# Altium PCB base-32-bit.PcbDoc (part 2 of 2)
Units mil, origin at the board's own origin, x right, y up, seen from the top; angles counter-clockwise.
Board outline 1400 x 1750 mil, 4 copper layers (Top Layer, GND, PWR, Bottom Layer), stack 23.756 mil thick; 70 components, 133 nets, 525 pads, 249 vias.
Unrouted connection lines stored in the file: 25.
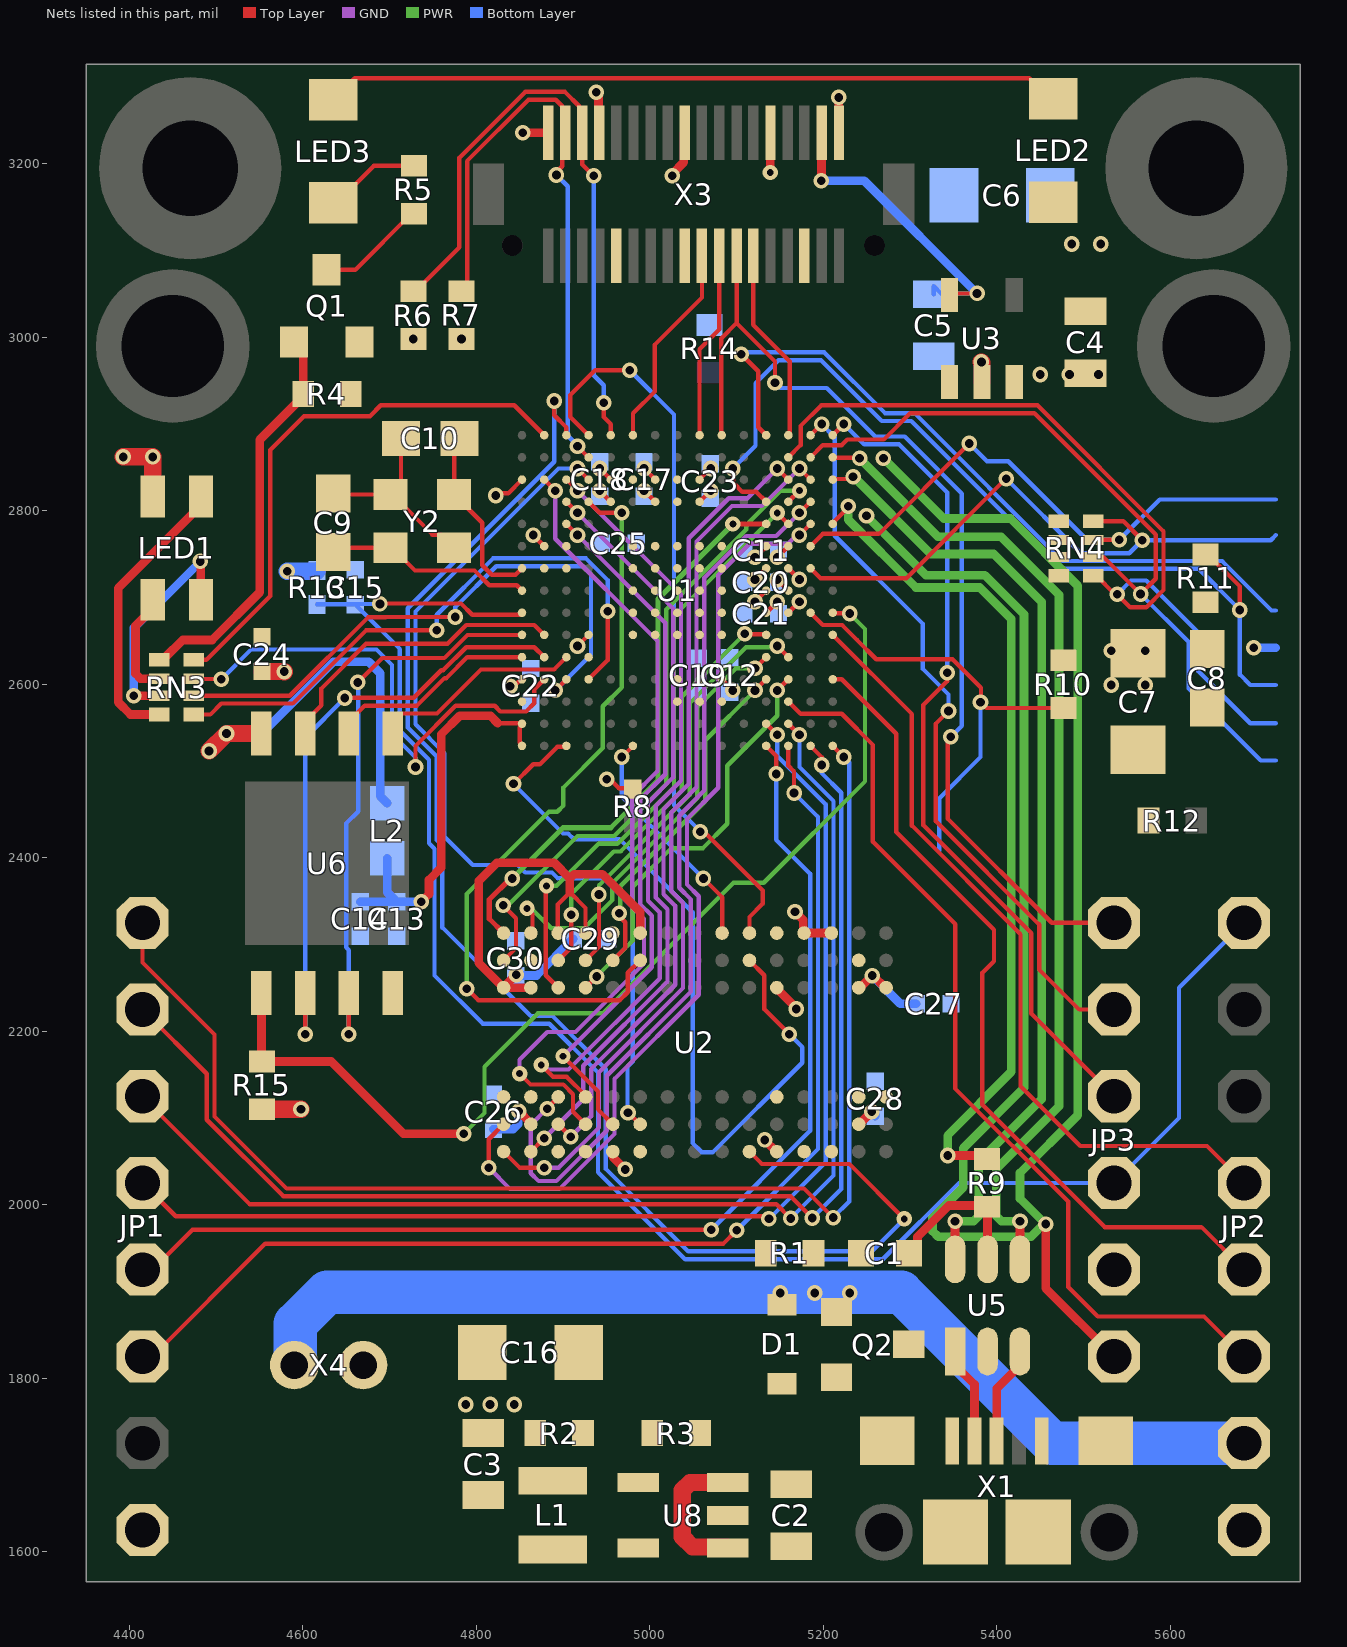
[diagram p4: the nets of this part, all layers, seen from the top]

## Via types
v1: diameter 18, hole 10, Top Layer to Bottom Layer, tented both sides, 235 vias
v2: diameter 17.72, hole 8, Top Layer to Bottom Layer, tented both sides, 14 vias

## Nets (pads, with @x,y where several pads share a name; then routed paths per layer and width w, separated by ;. In a path a pad name is that pad's centre, name@x,y a point inside that pad or via, vN(x,y) a via of type N, cw(c..) or ccw(c..) an arc to the next point about the centre after c; other vN are vias at no path point) (continued)
DRAM_D16: U1.M12 U2.E8 | length 403
  Top Layer w5: U2.E8@4957.28,2281.69 4971.65,2296.07 4971.65,2325.69 4964.73,2332.62 v1(4964.73,2336.14) ; v1(5121.23,2592.91) U1.M12@5134.02,2605.7
  PWR w5: v1(4964.73,2336.14) 4965.73,2337.14 4965.73,2367.18 5063.78,2465.23 5063.78,2535.46 v1(5121.23,2592.91)
DRAM_D17: U1.M13 U2.D7 | length 473.7
  Top Layer w5: U2.D7@4925.79,2250.2 v1(4938.58,2263) ; v1(5146.82,2592.91) U1.M13@5159.61,2605.7
  PWR w5: v1(4938.58,2263) 4980.23,2304.64 4980.23,2366.59 5024.77,2411.14 5061.15,2411.14 5089.23,2439.22 5089.23,2506.06 5146.82,2563.65 v1(5146.82,2592.91)
DRAM_D18: U1.L13 U2.D8 | length 492.4
  Top Layer w5: U2.D8@4925.79,2281.69 4941.23,2297.13 v1(4941.23,2357.64) ; v1(5146.73,2644.14) U1.L13@5159.61,2631.29
  PWR w5: v1(4941.23,2357.64) 4941.23,2368.14 5045.78,2472.69 5045.78,2577.7 5110.72,2642.64 5145.23,2642.64 v1(5146.73,2644.14)
DRAM_D19: U1.L12 U2.B9 | length 519.8
  Top Layer w5: v2(4858.23,2341.64) 4864.71,2335.15 4864.71,2315.1 U2.B9@4862.8,2313.19 ; v1(5121.23,2618.5) U1.L12@5134.02,2631.29
  PWR w5: v2(4858.23,2341.64) 4863.3,2341.64 4886.3,2318.64 4924.15,2318.64 4956.73,2351.22 4956.73,2370.91 5054.78,2468.96 5054.78,2573.97 5099.3,2618.5 v1(5121.23,2618.5)
DRAM_D20: U1.K12 U2.C8 | length 495.4
  Top Layer w5: U2.C8@4894.29,2281.69 4909.23,2296.63 v1(4909.23,2334.14) ; v1(5109.23,2658.14) 5109.86,2657.51 5133.4,2657.51 U1.K12@5134.02,2656.88
  PWR w5: v1(4909.23,2334.14) 4909.23,2358.06 4958.31,2407.14 4966.25,2407.14 5036.78,2477.67 5036.78,2585.69 v1(5109.23,2658.14)
DRAM_D21: U1.E12 U2.A9 | length 666.8
  Top Layer w6: U2.A9@4831.3,2313.19 4814.73,2329.76 4814.73,2351.77 4839.1,2376.14 v1(4841.23,2376.14) ; v2(5095.63,2784.84) U1.E12@5134.02,2784.84
  PWR w6: v1(4841.23,2376.14) 4899.73,2434.64 4954.86,2434.64 5009.28,2489.06 5009.28,2698.48 v2(5095.63,2784.84)
DRAM_D22: U1.E13 U2.C7 | length 701.5
  Top Layer w5: v2(4880.73,2367.64) 4879.91,2366.82 4879.91,2264.57 U2.C7@4894.29,2250.2 ; v2(5146.81,2797.63) U1.E13@5159.61,2784.84
  PWR w5: v2(4880.73,2367.64) 4892.23,2367.64 4940.73,2416.14 4962.52,2416.14 5027.78,2481.4 5027.78,2678.6 v2(5146.81,2797.63)
DRAM_D23: U1.D13 U2.A8 | length 754.2
  Top Layer w5: v1(4830.73,2345.14) 4845.68,2330.19 4845.68,2296.07 U2.A8@4831.3,2281.69 ; U1.D13@5159.61,2810.43 v2(5172.4,2823.22)
  PWR w5: v1(4830.73,2345.14) 4836.51,2345.14 4916.51,2425.14 4958.79,2425.14 5018.78,2485.13 5018.78,2686.26 5110.99,2778.48 5110.99,2783.53 5150.69,2823.22 v2(5172.4,2823.22)
DRAM_D24: U1.E14 U2.A2 | length 1074.5
  Top Layer w5: v1(4814.14,2042.71) 4814.14,2075.56 U2.A2@4831.3,2092.72 ; v1(5172.4,2772.04) U1.E14@5185.2,2784.84
  GND w5: v1(4814.14,2042.71) 4838.64,2018.21 4895.91,2018.21 4959.23,2081.53 4959.23,2145.04 5056.23,2242.04 5056.23,2355.65 5042.73,2369.15 5042.73,2444.77 5078.77,2480.81 5078.77,2725.91 5114.8,2761.95 5159.16,2761.95 5169.25,2772.04 v1(5172.4,2772.04)
DRAM_D25: U1.D14 U2.C3 | length 1070.4
  Top Layer w5: v1(4881.5,2110.74) 4881.5,2111.08 4894.29,2123.87 U2.C3@4894.29,2124.21 ; v1(5172.4,2797.63) U1.D14@5185.2,2810.43
  GND w5: v1(4881.5,2110.74) 4862.61,2091.86 4862.61,2036.29 4871.69,2027.21 4892.18,2027.21 4950.23,2085.26 4950.23,2148.77 5047.23,2245.77 5047.23,2351.93 5033.73,2365.43 5033.73,2448.5 5062.78,2477.55 5062.78,2722.65 5111.08,2770.95 5145.72,2770.95 v1(5172.4,2797.63)
DRAM_D26: U1.C14 U2.A1 | length 1041.8
  Top Layer w5: U2.A1@4831.3,2061.22 4849.81,2042.71 v1(4878.11,2042.71) ; v1(5172.42,2848.82) U1.C14@5185.2,2836.02
  GND w5: v1(4878.11,2042.71) 4894.95,2042.71 4941.23,2088.99 4941.23,2152.73 5038.23,2249.73 5038.23,2348.2 5024.73,2361.7 5024.73,2452.23 5053.78,2481.28 5053.78,2764.7 5094.59,2805.52 5129.12,2805.52 v1(5172.42,2848.82)
DRAM_D27: U1.C13 U2.C2 | length 931.4
  Top Layer w5: U2.C2@4894.29,2092.72 v1(4908.66,2078.34) ; v1(5146.83,2848.82) U1.C13@5159.61,2836.02
  GND w5: v1(4908.66,2078.34) 4932.23,2101.91 4932.23,2156.46 5029.23,2253.46 5029.23,2344.47 5015.73,2357.97 5015.73,2455.95 5044.78,2485 5044.78,2768.43 5090.86,2814.52 5112.53,2814.52 v1(5146.83,2848.82)
DRAM_D28: U1.C3 U2.B1 | length 912.3
  Top Layer w5: U2.B1@4862.8,2061.22 v1(4878.11,2076.53) ; U1.C3@4903.7,2836.02 v1(4916.5,2823.23)
  GND w5: v1(4878.11,2076.53) 4923.23,2121.65 4923.23,2160.19 5020.23,2257.19 5020.23,2340.74 5006.73,2354.24 5006.73,2459.68 5035.78,2488.73 5035.78,2703.95 v1(4916.5,2823.23)
DRAM_D29: U1.C2 U2.D2 | length 947.3
  Top Layer w5: v2(4849.73,2151.14) 4862.28,2138.59 4900.24,2138.59 4911.41,2127.41 4911.41,2107.09 U2.D2@4925.79,2092.72 ; U1.C2@4878.11,2836.02 v1(4890.91,2823.23)
  GND w5: v2(4849.73,2151.14) 4849.73,2167.14 4881.73,2199.14 4914.23,2199.14 4993.23,2278.14 4993.23,2329.56 4979.73,2343.06 4979.73,2470.87 5008.78,2499.92 5008.78,2650.01 4890.91,2767.88 v1(4890.91,2823.23)
DRAM_D30: U1.D3 U2.D3 | length 867.7
  Top Layer w5: v2(4874.73,2161.14) 4888.28,2147.59 4903.97,2147.59 4925.79,2125.77 U2.D3@4925.79,2124.21 ; U1.D3@4903.7,2810.43 v1(4916.5,2797.64)
  GND w5: v2(4874.73,2161.14) 4880.09,2155.78 4906.09,2155.78 5011.23,2260.92 5011.23,2337.01 4997.73,2350.51 4997.73,2463.41 5026.78,2492.46 5026.78,2687.36 v1(4916.5,2797.64)
DRAM_D31: U1.E3 U2.E2 | length 823.3
  Top Layer w5: v2(4899.73,2171.14) 4940.16,2130.7 4940.16,2109.84 U2.E2@4957.28,2092.72 ; U1.E3@4903.7,2784.84 v1(4916.5,2772.04)
  GND w5: v2(4899.73,2171.14) 5002.23,2273.64 5002.23,2333.29 4988.73,2346.79 4988.73,2467.14 5017.78,2496.19 5017.78,2670.76 v1(4916.5,2772.04)
DRAM_DQM0: U1.A4 U2.K9 | length 856.7
  Top Layer w5: U1.A4@4929.29,2887.2 4908.23,2908.27 4908.23,2933.56 4936.81,2962.14 v1(4976.73,2962.14) ; v1(5058.23,2430.14) 5060.72,2427.65 5064.78,2427.65 5130.23,2362.21 5130.23,2347.11 5114.76,2331.64 U2.K9@5114.76,2313.19
  Bottom Layer w5: v1(4976.73,2962.14) 5027.73,2911.14 5027.73,2460.64 v1(5058.23,2430.14)
DRAM_DQM1: U1.A3 U2.K1 | length 1719.5
  Top Layer w5: v1(4889.73,2926.64) 4889.73,2910.14 4903.7,2896.16 U1.A3@4903.7,2887.2 ; U2.K1@5114.76,2061.22 5129.14,2046.85 5230.02,2046.85 v2(5293.23,1983.64)
  Bottom Layer w5: v1(4889.73,2926.64) 4889.73,2856.69 4720.73,2687.69 4720.73,2550.09 4754.23,2516.59 4754.23,2420.49 4760.73,2413.99 4760.73,2319.45 4862.66,2217.52 4887.8,2217.52 4949.23,2156.09 4949.23,2041.22 5044.31,1946.14 5255.73,1946.14 v2(5293.23,1983.64)
DRAM_DQM2: U1.D4 U2.F8 | length 909.7
  Top Layer w5: v1(4788.73,2249.14) 4802.04,2235.82 4965.41,2235.82 4974.4,2244.82 4974.4,2267.32 U2.F8@4988.78,2281.69 ; U1.D4@4929.29,2810.43 4942.09,2797.63 v1(4967.68,2797.63)
  PWR w5: v1(4788.73,2249.14) 4788.73,2358.29 4883.58,2453.14 4893.23,2453.14 4900.23,2460.14 4900.23,2481.06 4945.73,2526.56 4945.73,2574.63 4967.68,2596.58 v1(4967.68,2797.63)
DRAM_DQM3: U1.C4 U2.F2 | length 1056.3
  Top Layer w5: v1(4916.5,2848.82) U1.C4@4929.29,2836.02 ; v1(4974.73,2106.14) 4975.05,2106.14 4988.46,2092.72 U2.F2@4988.78,2092.72
  Bottom Layer w5: v1(4916.5,2848.82) 4894.58,2848.82 4729.73,2683.97 4729.73,2553.82 4763.23,2520.32 4763.23,2424.22 4795.81,2391.64 4847.65,2391.64 4856.29,2383 4887.09,2383 4893.59,2376.5 4946.29,2376.5 4980.23,2342.56 4980.23,2165.14 4974.23,2159.14 4974.23,2106.64 v1(4974.73,2106.14)
DRAM_RAS: U1.R6 U2.J9 | length 268.9
  Top Layer w5: v1(4967.68,2516.14) U1.R6@4980.47,2528.93 ; v1(5061.73,2376.14) 5083.27,2354.6 U2.J9@5083.27,2313.19
  Bottom Layer w5: v1(4967.68,2516.14) 4967.68,2470.19 v1(5061.73,2376.14)
DRAM_WE: U1.R3 U2.K8 | length 929.7
  Top Layer w5: v1(4842.73,2485.14) 4865.41,2507.82 4873.15,2507.82 4893.34,2528.01 4902.78,2528.01 U1.R3@4903.7,2528.93 ; U2.K8@5114.76,2281.69 5131.89,2264.57 5131.89,2225.48 v1(5160.73,2196.64)
  Bottom Layer w5: v1(4842.73,2485.14) 4899.87,2428 4905.73,2428 4912.23,2421.5 4964.93,2421.5 5049.23,2337.2 5049.23,2071.21 5059.8,2060.64 5072.64,2060.64 5175.73,2163.73 5175.73,2181.64 v1(5160.73,2196.64)
FLASH_CLK: U1.L1 U6.6 | length 244.1
  Top Layer w5: U6.6@4652.96,2543.29 4652.96,2557.07 4671.27,2575.38 4731.52,2575.38 4763.27,2607.14 4765.33,2607.14 4789.49,2631.29 U1.L1@4852.52,2631.29
FLASH_CS: R15.1 U1.J15 U6.1 | length 1229.6
  Top Layer w5: U1.J15@5210.79,2682.48 5211.22,2682.06 5229.81,2682.06 v1(5230.23,2681.64)
  Top Layer w10: U6.1@4552.17,2244.08 4552.17,2165.7 R15.1@4552.73,2165.14 4632.48,2165.14 4715.98,2081.64 v1(4785.23,2081.64)
  PWR w5: v1(4785.23,2081.64) 4809.23,2105.64 4809.23,2159.14 4870.87,2220.78 4945.87,2220.78 5096.38,2371.29 5131.3,2371.29 5248.09,2488.08 5248.09,2663.78 v1(5230.23,2681.64)
FLASH_IO0: U1.L3 U6.5 | length 244.9
  Top Layer w5: U6.5@4703.35,2543.29 4703.35,2557.07 4712.66,2566.38 4754.52,2566.38 4805.27,2617.12 4889.53,2617.12 U1.L3@4903.7,2631.29
FLASH_IO1: U1.L2 U6.2 | length 713.1
  Top Layer w5: v1(4602.56,2196.47) U6.2@4602.56,2244.09 ; v1(4648.23,2584.14) 4648.47,2584.38 4727.79,2584.38 4759.54,2616.14 4761.6,2616.14 4788.18,2642.71 4866.69,2642.71 U1.L2@4878.11,2631.29
  Bottom Layer w5: v1(4602.56,2196.47) 4602.56,2538.47 v1(4648.23,2584.14)
FLASH_IO2: U1.K1 U6.3 | length 672.6
  Top Layer w5: v1(4652.96,2196.47) U6.3@4652.96,2244.09 ; v1(4663.23,2602.14) 4691.38,2630.29 4763.03,2630.29 4789.62,2656.88 U1.K1@4852.52,2656.88
  Bottom Layer w5: v1(4652.96,2196.47) 4652.96,2293.44 4649.71,2296.69 4649.71,2439.4 4663.73,2453.42 4663.73,2601.64 v1(4663.23,2602.14)
FLASH_IO3: U1.K2 U6.7 | length 351.5
  Top Layer w5: U6.7@4602.56,2543.29 4602.56,2557.07 4621.23,2575.74 4621.23,2595.14 4672.73,2646.64 4766.65,2646.64 4788.31,2668.3 4866.69,2668.3 U1.K2@4878.11,2656.88
FS_DM: U1.C15 U5.6 | length 1114.2
  Top Layer w5: U1.C15@5210.79,2836.02 5210.8,2836.62 5231.71,2836.62 v1(5234.23,2839.14)
  Top Layer w10: U5.6@5351.86,1936.99 v1(5351.86,1981.07)
  PWR w10: v1(5234.23,2839.14) 5234.94,2839.14 5323.94,2750.14 5396.53,2750.14 5451.73,2694.94 5451.73,2121.92 5379.26,2049.45 5379.26,1986.93 5373.4,1981.07 v1(5351.86,1981.07)
FS_DP: U1.B15 U5.4 | length 1146.8
  Top Layer w5: U1.B15@5210.79,2861.61 5211.28,2861.13 5241.24,2861.13 v1(5241.73,2860.64)
  Top Layer w10: U5.4@5426.66,1936.99 v1(5426.66,1981.07)
  PWR w10: v1(5241.73,2860.64) 5332.23,2770.14 5404.81,2770.14 5471.73,2703.22 5471.73,2113.64 5399.26,2041.17 5399.26,1986.93 5405.12,1981.07 v1(5426.66,1981.07)
GND: C1.1 C2.1 C3.1 C4.1 C5.1 C6.C C7.C C8.2 C9.1 C10.1 C11.2 C12.2 C13.2 C14.2 C15.2 C16.C C17.2 C18.2 C19.2 C20.2 C21.2 C22.2 C23.2 C24.2 C25.2 C26.2 C27.2 C28.2 C29.2 C30.2 JP2.8 JP3.6 Q1.2 R1.1 R3.1 R4.1 R12.1 U1.D5 U1.D7 U1.D8 U1.D9 U1.F2 U1.F6 U1.F7 U1.F8 U1.F9 U1.F10 U1.F12 U1.G2 U1.G6 U1.G7 U1.G8 U1.G9 U1.G10 U1.G12 U1.H6 U1.H7 U1.H8 U1.H9 U1.H10 U1.H12 U1.J6 U1.J7 U1.J8 U1.J9 U1.J10 U1.K6 U1.K7 U1.K8 U1.K9 U1.K10 U1.L4 U1.M1 U1.M8 U1.M9 U1.N1 U2.A3 U2.B3 U2.B8 U2.C1 U2.D1 U2.E9 U2.F1 U2.L3 U2.L9 U2.M1 U2.N1 U2.P3 U2.P8 U2.R3 U3.2 U5.2 U6.4 U8.2 X1.5 X1.S X3.5 X3.19 X3.27 X4.2 Y2.2 Y2.4 | length 2770.3
  Top Layer w5: C9.1@4634.87,2819.86 4635.94,2818.79 Y2.4@4701.02,2818.79 ; C10.1@4713,2883.49 4713,2830.78 Y2.4@4701.02,2818.79 ; Y2.2@4774.25,2757.38 4759.03,2772.59 4749.19,2772.59 4702.99,2818.79 Y2.4@4701.02,2818.79 ; v1(4838.73,2597.64) 4841.22,2600.13 4845.63,2600.13 4851.21,2605.7 U1.M1@4852.52,2605.7 ; v1(4865.32,2772.04) U1.F2@4878.11,2759.25 ; v1(4942.09,2823.23) U1.D5@4954.88,2810.43 ; v1(4993.27,2823.23) U1.D7@5006.06,2810.43 ; U1.D9@5057.24,2810.43 v1(5070.04,2823.23) ; v1(5121.22,2695.27) U1.H12@5134.02,2708.07 ; v1(5121.22,2720.86) U1.G12@5134.02,2733.66 ; v1(5121.22,2746.45) U1.F12@5134.02,2759.25
  Top Layer w10: v1(5456.23,1977.64) 5456.23,1903.77 JP3.6@5535,1825
  Top Layer w20: v1(5382.23,2971.64) 5382.86,2971.01 U3.2@5382.86,2948.69
  PWR w10: v1(5249.73,2794.14) 5318.23,2725.64 5386.23,2725.64 5431.23,2680.64 5431.23,2135.14 5361.23,2065.14 5361.23,2020.14 5325.73,1984.64 5325.73,1969.64 5332.29,1963.07 5439.5,1963.07 5454.06,1977.64 v1(5456.23,1977.64) 5426.73,2007.14 5426.73,2036.64 5493.23,2103.14 5493.23,2713.64 5415.73,2791.14 5338.73,2791.14 v1(5269.23,2860.64)
I2C1_SCL: R6.2 U1.A5 X3.32 | length 748.2
  Top Layer w5: R6.2@4727.23,3053.14 4729.73,3053.14 4780.28,3103.69 4780.28,3206.92 4856.36,3283 4902.05,3283 4918.55,3266.51 4918.55,3239.5 X3.32@4922.05,3236 4922.05,3199.32 v1(4935.23,3186.14) ; v1(4946.73,2924.64) 4946.73,2908.14 4954.88,2899.98 U1.A5@4954.88,2887.2
  Bottom Layer w5: v1(4935.23,3186.14) 4935.23,2956.26 4946.73,2944.76 v1(4946.73,2924.64)
I2C1_SDA: R7.2 U1.B4 X3.34 | length 720.7
  Top Layer w5: R7.2@4782.73,3053.14 4789.28,3059.69 4789.28,3203.19 4860.09,3274 4891.37,3274 4898.86,3266.51 4898.86,3239.5 X3.34@4902.36,3236 4898.86,3232.5 4898.86,3197.29 4892.23,3190.66 v1(4892.23,3187.14) ; v1(4916.5,2874.41) U1.B4@4929.3,2861.61
  Bottom Layer w5: v1(4892.23,3187.14) 4905.23,3174.14 4905.23,2886.47 4916.5,2875.2 v1(4916.5,2874.41)
I2C2_SCL: JP1.5 U1.R12 | length 1300.9
  Top Layer w5: JP1.5@4415,1925 4426.46,1925 4472.6,1971.14 v1(5070.73,1971.14) ; U1.R12@5134.02,2528.93 5145.73,2517.23 v1(5145.73,2496.64)
  Bottom Layer w5: v1(5070.73,1971.14) 5184.73,2085.14 5184.73,2381.56 5145.73,2420.56 v1(5145.73,2496.64)
I2C2_SDA: JP1.6 U1.R13 | length 1356.7
  Top Layer w5: JP1.6@4415,1825 4426.46,1825 4556.6,1955.14 5084.73,1955.14 v1(5100.23,1970.64) ; U1.R13@5159.61,2528.93 5159.61,2506.2 5166.23,2499.58 v1(5166.23,2474.64)
  Bottom Layer w5: v1(5100.23,1970.64) 5193.73,2064.14 5193.73,2447.14 v1(5166.23,2474.64)
LED_B: RN3.1 U1.M4 | length 696.4
  Top Layer w5: RN3.1@4473.91,2565.14 4493.23,2565.14 4505.89,2577.8 4588.39,2577.8 4672.73,2662.14 v1(4754.23,2662.14) ; U1.M4@4929.29,2605.7 4951.23,2627.64 v1(4951.23,2684.37)
  Bottom Layer w5: v1(4754.23,2662.14) 4754.23,2680.24 4819.12,2745.14 4926.38,2745.14 4951.23,2720.29 v1(4951.23,2684.37)
LED_G: RN3.2 U1.M3 | length 699.5
  Top Layer w5: RN3.2@4473.91,2586.8 4584.66,2586.8 4675,2677.14 4695.15,2677.14 4695.65,2677.64 v1(4775.73,2677.64) ; v1(4890.91,2592.91) U1.M3@4903.7,2605.7
  Bottom Layer w5: v1(4775.73,2677.64) 4775.73,2689.01 4822.85,2736.14 4922.65,2736.14 4932,2726.79 4932,2634 v1(4890.91,2592.91)
LED_IR: RN3.4 U1.A2 | length 638.6
  Top Layer w5: RN3.4@4473.91,2628.13 4488.49,2628.13 4562.23,2701.87 4562.23,2870.14 4601.23,2909.14 4677.23,2909.14 4689.73,2921.64 4843.68,2921.64 U1.A2@4878.11,2887.2
LED_R: RN3.3 U1.M2 | length 598.8
  Top Layer w5: RN3.3@4473.91,2606.48 4474.33,2606.06 4505.31,2606.06 v1(4505.73,2605.64) ; v1(4729.73,2504.64) 4729.73,2528.86 4776.01,2575.14 4820.99,2575.14 4827.44,2568.69 4857.25,2568.69 4866.69,2578.13 4866.69,2594.28 U1.M2@4878.11,2605.7
  Bottom Layer w5: v1(4505.73,2605.64) 4540.23,2640.14 4684.73,2640.14 4702.73,2622.14 4702.73,2542.64 4729.73,2515.64 v1(4729.73,2504.64)
NetC9_2: C9.2 U1.H1 Y2.1 | length 240.1
  Top Layer w5: C9.2@4634.87,2752.39 4639.86,2757.38 Y2.1@4701.02,2757.38 4702.99,2757.38 4729.23,2731.14 4797.73,2731.14 4814.73,2714.14 4846.46,2714.14 U1.H1@4852.52,2708.07
NetC10_2: C10.2 U1.G1 Y2.3 | length 215.8
  Top Layer w5: C10.2@4780.46,2883.49 4774.25,2877.27 Y2.3@4774.25,2818.79 4806.73,2786.32 4806.73,2737.14 4817.62,2726.24 4845.1,2726.24 U1.G1@4852.52,2733.66
NetC13_1: C13.1 C14.1 L2.1 U1.P1 U1.R1 | length 461
  Top Layer w5: 4824.73,2555.14 4851.91,2555.14 U1.P1@4852.52,2554.52 4852.52,2553.21 4849.82,2550.51 4849.82,2532.95 4852.52,2530.24 U1.R1@4852.52,2528.93
  Top Layer w10: v1(4736.23,2349.14) 4745.23,2358.14 4745.23,2374.4 4759.27,2388.44 4759.27,2542.13 4780.77,2563.64 4816.23,2563.64 4824.73,2555.14
  Bottom Layer w10: C14.1@4666.21,2349.38 C13.1@4708.21,2349.38 ; L2.1@4697.21,2399.38 4697.21,2360.38 C13.1@4708.21,2349.38 ; v1(4736.23,2349.14) 4736.11,2349.26 4708.33,2349.26 C13.1@4708.21,2349.38
NetLED1_B: LED1.B RN3.8 | length 330.3
  Top Layer w10: RN3.8@4434.54,2565.14 4401.08,2565.14 4386.89,2579.34 4386.89,2710.89 4482.5,2806.5 LED1.B@4482.5,2816.5
NetLED1_G: LED1.G RN3.7 | length 260.8
  Top Layer w10: v1(4404.89,2586.8) RN3.7@4434.54,2586.8 ; v1(4481.73,2741.64) 4482.11,2741.25 4482.11,2697.83 LED1.G@4482.5,2697.44
  Bottom Layer w10: v1(4404.89,2586.8) 4404.89,2664.8 v1(4481.73,2741.64)
NetLED1_R: LED1.R RN3.6 | length 123.5
  Top Layer w10: LED1.R@4426.94,2697.44 4426.94,2687.44 4406.89,2667.39 4406.89,2612.34 4412.74,2606.48 RN3.6@4434.54,2606.48
NetLED2_C: LED2.C LED3.A | length 850
  Top Layer w5: LED3.A@4635,3274.06 4659.58,3298.64 5437.36,3298.64 5461,3275 LED2.C@5465,3275
NetLED3_C: LED3.C R5.2 | length 110.4
  Top Layer w5: LED3.C@4635,3155 4639,3155 4681.69,3197.69 R5.2@4727.76,3197.69
NetQ1_1: Q1.1 R4.2 RN3.5 | length 461.3
  Top Layer w10: RN3.5@4434.54,2628.13 4437.42,2631.01 4441.35,2631.01 4461.48,2651.14 4495.23,2651.14 4550.23,2706.14 4550.23,2882.05 4600.16,2931.99 R4.2@4600.16,2934.49 4600.16,2984.08 Q1.1@4589.76,2994.49
NetQ1_3: Q1.3 R5.1 | length 127.5
  Top Layer w5: Q1.3@4627.16,3077.86 4660.43,3077.86 4725.26,3142.69 R5.1@4727.76,3142.69
NetR2_1: R2.1 R3.2 U8.4
NetR9_1: R9.1 U1.E15 | length 974.8
  Top Layer w5: U1.E15@5210.79,2784.84 5210.79,2786.02 5228.73,2803.96 v1(5228.73,2805.14)
  Top Layer w10: v1(5343.23,2056.64) 5384.73,2056.64 R9.1@5388.73,2052.64
  PWR w10: v1(5228.73,2805.14) 5228.73,2789.68 5306.77,2711.64 5380.43,2711.64 5416.73,2675.34 5416.73,2153.14 5343.23,2079.64 v1(5343.23,2056.64)
NetU5_1: U5.1 X1.2 | length 112.2
  Top Layer w10: U5.1@5351.86,1830.69 5351.86,1814.94 5374.15,1792.65 X1.2@5374.15,1727.69
NetU5_3: U5.3 X1.3 | length 114.1
  Top Layer w10: X1.3@5399.74,1727.69 5399.74,1788.02 5426.66,1814.94 U5.3@5426.66,1830.69
NRST: C15.1 JP2.1 JP3.4 R13.1 U1.J1 | length 2093.4
  Top Layer w5: v1(4688.73,2692.64) 4689.23,2693.14 4782.15,2693.14 4795.15,2680.14 4850.18,2680.14 U1.J1@4852.52,2682.48
  Bottom Layer w5: R13.1@4616.23,2692.14 4660.13,2692.14 C15.1@4660.37,2691.89 ; v1(4688.73,2692.64) 4661.12,2692.64 C15.1@4660.37,2691.89 ; JP2.1@5685,2325 5610,2250 5610,2100 JP3.4@5535,2025 5356.31,2025 5268.45,1937.14 5040.58,1937.14 4940.23,2037.49 4940.23,2152.36 4884.07,2208.52 4807.43,2208.52 4751.73,2264.22 4751.73,2410.26 4745.23,2416.76 4745.23,2512.87 4711.73,2546.37 4711.73,2640.54 C15.1@4660.37,2691.89
P9: JP2.4 U1.K15 | length 913.9
  Top Layer w5: U1.K15@5210.79,2656.88 5302.09,2565.59 5302.09,2437.05 5427.23,2311.91 5427.23,2136.64 5496.23,2067.64 5642.36,2067.64 JP2.4@5685,2025
RAW: C2.2 D1.1 Q2.2 U8.1 U8.3 | length 167.6
  Top Layer w20: U8.1@5089.76,1604.29 5088.76,1605.29 5049.08,1605.29 5037.23,1617.14 5037.23,1670.64 5046.28,1679.69 U8.3@5089.76,1679.69
SD_CD: R10.2 U1.J14 | length 538.3
  Top Layer w5: U1.J14@5185.2,2682.48 5199.38,2668.3 5221.64,2668.3 5239.31,2650.64 5261.02,2628.93 5348.86,2628.93 5381.73,2596.06 5381.73,2579.6 v1(5381.23,2579.1) 5387.64,2572.69 R10.2@5476.76,2572.69
  Bottom Layer w5: 5333.73,2408.14 5333.73,2468.64 5381.23,2516.14 v1(5381.23,2579.1)
SDIO_CLK: U1.A12 | length 845.9
  Top Layer w5: v1(5105.23,2980.64) 5124.91,2960.96 5124.91,2896.32 U1.A12@5134.02,2887.2
  Bottom Layer w5: v1(5105.23,2980.64) 5107.23,2982.64 5201.05,2982.64 5271.05,2912.64 5304.93,2912.64 5475.43,2742.14 5659.73,2742.14 5716.73,2685.14 5721.73,2685.14
SDIO_CMD: R11.2 U1.D12 | length 1064.6
  Top Layer w5: v1@5094.73,2848.64 5095.99,2847.38 5095.99,2832.32 5106.45,2821.85 5122.6,2821.85 U1.D12@5134.02,2810.43 ; R11.2@5640.76,2749.69 5643.26,2749.69 5680.23,2712.72 v1(5680.23,2685.64)
  Bottom Layer w5: v1(5095.63,2848.82) 5121.73,2874.92 5121.73,2947.06 5148.31,2973.64 5197.32,2973.64 5267.32,2903.64 5301.2,2903.64 5471.7,2733.14 5632.73,2733.14 v1(5680.23,2685.64) 5680.23,2611.14 5692.23,2599.14 5721.73,2599.14
SDIO_D0: RN4.8 U1.G14 | length 699.1
  Top Layer w5: U1.G14@5185.2,2733.66 5196.62,2722.24 5295.83,2722.24 v1(5410.73,2837.14) ; RN4.8@5510.91,2788.13 5545.73,2788.13 v1(5567.73,2766.14)
  Bottom Layer w5: v1(5410.73,2837.14) 5496.73,2751.14 5552.73,2751.14 v1(5567.73,2766.14) 5715.73,2766.14 5721.73,2772.14
SDIO_D1: RN4.7 U1.F14 | length 681.2
  Top Layer w5: U1.F14@5185.2,2759.25 5199.37,2773.42 5264.01,2773.42 v1(5368.23,2877.64) ; RN4.7@5510.91,2766.48 5510.99,2766.56 5541.15,2766.56 v1(5541.23,2766.64)
  Bottom Layer w5: v1(5368.23,2877.64) 5388.73,2857.14 5413.23,2857.14 5503.73,2766.64 v1(5541.23,2766.64) 5587.73,2813.14 5721.73,2813.14
SDIO_D2: RN4.6 U1.B14 | length 892.2
  Top Layer w5: U1.B14@5185.2,2861.61 5199.37,2875.78 5221.29,2875.78 5227.65,2882.14 5269.77,2882.14 5300.27,2912.64 5443.15,2912.64 5583.23,2772.56 5583.23,2721.64 v1(5565.73,2704.14) 5523.07,2746.8 RN4.6@5510.91,2746.8
  Bottom Layer w5: v1(5565.73,2704.14) 5621.23,2648.64 5621.23,2595.14 5704.23,2512.14 5721.73,2512.14
SDIO_D3: RN4.5 U1.B13 | length 986.6
  Top Layer w5: U1.B13@5159.61,2861.61 5173.78,2875.78 5173.78,2897.7 5197.72,2921.64 5446.88,2921.64 5592.23,2776.29 5592.23,2708.72 5572.15,2688.64 5553.73,2688.64 v1(5538.73,2703.64) 5536.35,2703.64 5514.85,2725.14 RN4.5@5510.91,2725.14
  Bottom Layer w5: v1(5538.73,2703.64) 5554.73,2719.64 5572.15,2719.64 5632.19,2659.6 5632.19,2615.18 5692.23,2555.14 5721.73,2555.14
SPI2_MISO: JP1.2 U1.R14 | length 1475.7
  Top Layer w5: JP1.2@4415,2225 4489.06,2150.94 4489.06,2097.97 4577.39,2009.64 5162.23,2009.64 v1(5187.23,1984.64) ; U1.R14@5185.2,2528.93 5198,2516.14 v1(5198,2506.89)
  Bottom Layer w5: v1(5187.23,1984.64) 5220.73,2018.14 5220.73,2474.91 5198,2497.64 v1(5198,2506.89)
SPI2_MOSI: JP1.1 U1.R15 | length 1578.5
  Top Layer w5: JP1.1@4415,2325 4415,2279.19 4498.06,2196.13 4498.06,2101.7 4581.12,2018.64 5177.73,2018.64 v1(5211.23,1985.14) ; U1.R15@5210.79,2528.93 v1(5223.59,2516.14)
  Bottom Layer w5: v1(5211.23,1985.14) 5229.73,2003.64 5229.73,2510 v1(5223.59,2516.14)
SPI2_NSS: JP1.4 U1.P12 | length 1365.8
  Top Layer w5: JP1.4@4415,2025 4453.36,1986.64 5134.23,1986.64 v1(5137.23,1983.64) ; U1.P12@5134.02,2554.52 v1(5146.82,2541.73)
  Bottom Layer w5: v1(5137.23,1983.64) 5202.73,2049.14 5202.73,2461.56 5146.82,2517.47 v1(5146.82,2541.73)
SPI2_SCLK: JP1.3 U1.P13 | length 1418.6
  Top Layer w5: JP1.3@4415,2125 4415,2124.14 4538.5,2000.64 5145.73,2000.64 v1(5162.23,1984.14) ; U1.P13@5159.61,2554.52 v1(5172.41,2541.73)
  Bottom Layer w5: v1(5162.23,1984.14) 5211.73,2033.64 5211.73,2465.29 5172.41,2504.61 v1(5172.41,2541.73)
SPI3_MISO: U1.A9 X3.15 | length 216.4
  Top Layer w5: U1.A9@5057.24,2887.2 5057.24,2986.38 5080,3009.14 X3.15@5080,3094.13
SPI3_MOSI: U1.A6 X3.17 | length 239.9
  Top Layer w5: U1.A6@4980.47,2887.2 4980.47,2912.38 5005.73,2937.64 5005.73,2991.64 5060,3045.91 X3.17@5060,3094.13
SPI3_SCLK/TRACESWO: JP3.1 U1.A10 X3.13 | length 1193
  Top Layer w5: U1.A10@5082.84,2887.2 5082.23,2887.82 5082.23,2998.64 5100,3016.41 ; X3.13@5100,3094.13 5100,3016.41 ; v1(5144.23,2947.64) 5144.23,2972.18 5100,3016.41 ; v1(5346.98,2539.39) 5343.23,2535.64 5343.23,2445.14 5463.37,2325 JP3.1@5535,2325
  Bottom Layer w5: v1(5144.23,2947.64) 5150.23,2941.64 5203.87,2941.64 5259.87,2885.64 5293.73,2885.64 5359.73,2819.64 5359.73,2552.14 v1(5346.98,2539.39)
SPI3_SSEL: U1.A13 X3.11 | length 225.1
  Top Layer w5: X3.11@5119,3094.13 5119,3014.45 5161.23,2972.22 5161.23,2888.82 U1.A13@5159.61,2887.2
SW: L1.1 U8.5
SWCLK: JP3.2 U1.A14 | length 868.2
  Top Layer w5: U1.A14@5185.2,2887.2 v1(5198,2900) ; v1(5344.23,2569.14) 5329.73,2554.64 5329.73,2442.14 5448.73,2323.14 5448.73,2271.14 5494.87,2225 JP3.2@5535,2225
  Bottom Layer w5: v1(5198,2900) 5213.23,2884.77 5213.23,2771.14 5314.73,2669.64 5314.73,2617.64 5344.23,2588.14 v1(5344.23,2569.14)
SWDIO: JP3.3 U1.A15 | length 968.5
  Top Layer w5: U1.A15@5210.79,2887.2 v1(5223.59,2900) ; v1(5342.73,2613.14) 5342.73,2603.64 5315.23,2576.14 5315.23,2437.64 5439.73,2313.14 5439.73,2220.27 JP3.3@5535,2125
  Bottom Layer w5: v1(5223.59,2900) 5246.95,2876.64 5287.23,2876.64 5342.73,2821.14 v1(5342.73,2613.14)
TIM4_CH1: JP2.6 U1.N13 | length 1072.6
  Top Layer w5: U1.N13@5159.61,2580.11 5173.78,2565.94 5221.16,2565.94 5257.09,2530.02 5257.09,2418.41 5352.23,2323.27 5352.23,2268.58 5351.87,2268.22 5351.87,2134 5482.23,2003.64 5482.23,1905.14 5516.23,1871.14 5638.86,1871.14 JP2.6@5685,1825
TIM4_CH2: JP2.5 U1.M15 | length 959.7
  Top Layer w5: U1.M15@5210.79,2605.7 5221.29,2605.7 5284.09,2542.91 5284.09,2429.6 5396.73,2316.95 5396.73,2280.72 5383.23,2267.22 5383.23,2115.37 5524.46,1974.14 5635.86,1974.14 JP2.5@5685,1925
VBUS: C1.2 Q2.3 R9.2 U5.5 X1.1 | length 186
  Top Layer w10: C1.2@5298.52,1944 5308.48,1953.96 5308.48,1963.15 5344.4,1999.07 5378.73,1999.07 5381.73,2002.07 5381.73,2004.64 R9.2@5388.73,1997.64 5389.26,1997.11 U5.5@5389.26,1936.99
VCAP1: C12.1 U1.M10 | length 18.1
  Top Layer w5: U1.M10@5082.84,2605.7 v1(5095.64,2592.91)
VCAP2: C11.1 U1.F13 | length 18.1
  Top Layer w5: v1(5146.81,2746.45) U1.F13@5159.61,2759.25
VCC: C3.2 C4.2 C6.A C7.A C8.1 C16.A C17.1 C18.1 C19.1 C20.1 C21.1 C22.1 C23.1 C24.1 C25.1 C26.1 C27.1 C28.1 C29.1 C30.1 JP1.8 JP3.5 L1.2 L2.2 LED1.A LED2.A R2.2 R6.1 R7.1 R8.1 R10.1 R11.1 R13.2 R14.2 R15.2 RN4.1 RN4.2 RN4.3 RN4.4 U1.C1 U1.C5 U1.C6 U1.C7 U1.C8 U1.C9 U1.F3 U1.G3 U1.G13 U1.H13 U1.J12 U1.J13 U1.K4 U1.N8 U1.N9 U1.N10 U2.A7 U2.B2 U2.B7 U2.C9 U2.D9 U2.E1 U2.F9 U2.L1 U2.L7 U2.M9 U2.N9 U2.P2 U2.P7 U2.R7 U3.1 U3.3 U6.8 X3.2 X3.10 X3.20 X3.30 X3.36 | length 2097.1
  Top Layer w5: v1(4822.23,2817.64) 4824.72,2820.13 4836.63,2820.13 U1.C1@4852.52,2836.02 ; U2.C9@4894.29,2313.19 4893.73,2313.75 4893.73,2346.14 4907.73,2360.14 4925.79,2342.08 U2.D9@4925.79,2313.19 ; v1(4916.5,2644.09) U1.K4@4929.29,2656.88 ; v1(4942.09,2848.82) U1.C5@4954.88,2836.02 ; v1(4950.23,2490.64) 4953.75,2490.64 4964.25,2480.14 4980.23,2480.14 R8.1@4980.23,2479.14 ; v1(4993.27,2848.82) U1.C7@5006.06,2836.02 ; U1.C9@5057.25,2836.02 v1(5070.04,2848.82) ; U1.J12@5134.02,2682.48 v1(5146.81,2695.27) ; v1(5146.81,2720.86) U1.H13@5159.61,2708.07 ; U1.J13@5159.61,2682.48 v1(5172.4,2695.27) ; U1.G13@5159.61,2733.66 v1(5172.4,2720.86)
  Top Layer w10: v1(4845.73,2265.14) 4831.3,2250.71 U2.A7@4831.3,2250.2 ; v1(4848.73,2107.64) 4862.8,2093.57 U2.B2@4862.8,2092.72 ; v1(4853.37,3236) X3.36@4882.68,3236 ; U2.B7@4862.8,2250.2 U2.A7@4831.3,2250.2 ; 4907.73,2360.14 4907.73,2376.14 ; v1(4938.23,3282.64) 4938.23,3280.47 4940.73,3277.97 4940.73,3237 X3.30@4941.73,3236 ; U2.E1@4957.28,2061.22 4957.28,2055.09 v1(4971.73,2040.64) ; U2.F9@4988.78,2313.19 4988.78,2337.54 4945.18,2381.14 4912.73,2381.14 4907.73,2376.14 ; v1(5025.73,3186.14) 5025.73,3188.3 5039.16,3201.73 5039.16,3235 X3.20@5040.16,3236 ; v1(5132.23,2074.64) 5145.65,2061.22 U2.L1@5146.26,2061.22 ; v2(5138.73,3190.14) 5138.73,3235.73 X3.10@5139,3236 ; U2.L7@5146.26,2250.2 5146.26,2249.15 5168.73,2226.68 v1(5168.73,2225.64) ; v1(5167.23,2337.64) 5176.66,2328.21 5176.66,2314.29 U2.M9@5177.76,2313.19 U2.N9@5209.25,2313.19 ; v1(5217.73,3276.64) 5217.73,3236.27 X3.2@5218,3236 ; U2.P2@5240.75,2092.72 5241.31,2092.72 v1(5255.73,2107.14) ; U2.P7@5240.75,2250.2 5242.29,2250.2 v1(5256.23,2264.14) 5257.27,2264.14 5271.2,2250.2 U2.R7@5272.24,2250.2 ; U2.A7@4831.3,2250.2 4802.73,2278.77 4802.73,2373.14 4823.73,2394.14 4889.73,2394.14 4907.73,2376.14
  Top Layer w20: v1(4392.73,2862.14) v1(4426.73,2862.14) 4426.94,2861.93 LED1.A@4426.94,2816.5 ; v1(4491.73,2523.14) v1(4511.88,2543.29) U6.8@4552.16,2543.29 ; R15.2@4552.73,2110.14 v1(4597.73,2110.14) ; C24.1@4552.76,2614.69 4578.18,2614.69 v1(4578.23,2614.64)
  Bottom Layer w5: v1(5696.23,2642.14) 5721.73,2642.14
  Bottom Layer w10: v1(4511.88,2543.29) 4552.38,2543.29 4635.23,2626.14 4675.73,2626.14 4689.23,2612.64 4689.23,2470.86 L2.2@4697.21,2462.88 ; C26.1@4819.73,2087.14 4842.37,2087.14 4848.23,2093 4848.23,2107.14 v1(4848.73,2107.64) ; C30.1@4845.23,2264.14 4869.23,2264.14 C29.1@4911.73,2306.64 ; v1(5255.73,2107.14) 5259.73,2103.14 C28.1@5259.73,2102.14 ; v1(5256.23,2264.14) 5288.73,2231.64 C27.1@5307.23,2231.64 ; v1(5696.23,2642.14) 5721.73,2642.14
  Bottom Layer w20: v1(4581.73,2730.14) 4616.23,2730.14 R13.2@4616.23,2731.14
  other v1: 4787.73,1769.64 4815.73,1769.64 4843.73,1769.64 5531.73,2599.14 5571.23,2599.14 5531.73,2638.64 5571.23,2638.64 5450.23,2957.14 5483.73,2957.14 5517.23,2957.14 4727.23,2998.14 4782.73,2998.14 5486.23,3107.64 5519.73,3107.64
VDDA: C5.2 U3.5 X3.4 | length 396.1
  Top Layer w5: U3.5@5345.46,3048.69 5345.46,3058.38 5353.19,3050.64 v1(5377.23,3050.64)
  Top Layer w10: v1(5197.73,3180.64) 5197.86,3180.77 5197.86,3235.86 X3.4@5198,3236
  Bottom Layer w5: C5.2@5327.26,3049.69 5327.26,3058.94 5335.56,3050.64 v1(5377.23,3050.64)
  Bottom Layer w10: v1(5197.73,3180.64) 5247.23,3180.64 v1(5377.23,3050.64)
VIN: D1.2 JP2.7 Q2.1 R1.2 X4.1 | length 1229.2
  Bottom Layer w50: X4.1@4590,1815 4591.15,1816.15 4591.15,1862.56 4627.73,1899.14 5289.73,1899.14 5463.87,1725 JP2.7@5685,1725
  other v1: 5150.23,1898.14 5190.23,1898.14 5230.23,1898.14
pads on no net: H1.B2,8 H2.B2,8 U1.A1 U1.A7 U1.A8 U1.B8 U1.B11 U1.C10 U1.C11 U1.D1 U1.D2 U1.D10 U1.D11 U1.E1 U1.E4 U1.F1 U1.F4 U1.G4 U1.H4 U1.J4 U1.L15 U1.M5 U1.M6 U1.M11 U1.N2 U1.N3 U1.N12 U1.N14 U1.P2 U1.R2 U1.R4 U1.R5 U2.E3 U2.E7 U2.H3 U2.H7 U2.K2 U2.K3 U3.4 U6.0 X1.4 X1.S1 X1.S2 X3.1 X3.3 X3.6 X3.7 X3.8 X3.9 X3.F1 X3.F2

## Polygon pours and split planes (outlines as drawn)
VBUS on Top Layer "Top Layer-VBUS" (solid, remove dead copper, pour order 50): 5273.73,1875.64 5273.73,1795.64 5316.73,1752.64 5316.73,1710.14 5333.73,1693.14 5361.23,1693.14 5361.23,1774.14 5326.73,1808.64 5326.73,1923.64 5326.73,1963.15 5273.24,1963.15
no net on Top Layer "Top Layer-No Net 1" (solid, remove dead copper, pour order 48): 5064.23,1617.64
no net on Top Layer "Top Layer-No Net" (solid, remove dead copper, pour order 46): 5116.73,1588.14
RAW on Top Layer "Top Layer-RAW" (solid, remove dead copper, pour order 44): 5060.73,1694.64 5060.73,1661.64 5188.23,1661.64 5189.23,1660.64 5191.73,1663.14 5191.73,1761.64 5208.73,1778.64 5236.23,1778.64 5236.23,1828.64 5133.73,1828.64 5118.73,1828.64 5115.73,1825.64 5115.73,1710.64 5101.23,1696.14 5062.23,1696.14
SW on Top Layer "Top Layer-SW" (solid, remove dead copper, pour order 42): 4842.73,1623.64 4843.73,1622.64 4843.73,1579.14 5017.23,1579.14 5019.23,1581.14 5019.23,1623.14
NetR2_1 on Top Layer "Top Layer-NetR2_1" (solid, remove dead copper, pour order 40): 4958.73,1664.14 5016.73,1664.14 5020.23,1667.64 5019.73,1668.14 5019.73,1763.14 4953.73,1763.14 4906.73,1763.14 4905.73,1762.14 4905.73,1717.14 4911.23,1711.64 4940.73,1711.64 4958.73,1693.64
VIN on Top Layer "Top Layer-VIN" (solid, remove dead copper, pour order 38): 5114.23,1966.14 5114.23,1872.64 5167.73,1872.64 5181.73,1858.64 5241.73,1858.64 5247.73,1864.64 5247.73,1911.64 5242.73,1916.64 5161.73,1916.64 5149.23,1929.14 5149.23,1963.64
VCC on Top Layer "Top Layer-VCC 3" (solid, remove dead copper, pour order 36): 5344.23,3003.64 5320.73,2980.14 5320.73,2930.64 5323.73,2927.64 5529.23,2927.64 5538.23,2936.64 5538.23,2975.64 5510.23,3003.64
VCC on Top Layer "Top Layer-VCC 2" (solid, remove dead copper, pour order 34): 5429.73,3098.14 5435.23,3092.64 5534.73,3092.64 5544.73,3102.64 5544.73,3115.14 5513.73,3146.14 5513.73,3175.14 5493.73,3195.14 5435.73,3195.14 5420.23,3179.64 5420.23,3109.64
VCC on Top Layer "Top Layer-VCC 1" (solid, remove dead copper, pour order 32): 4704.73,3013.14 4704.73,2973.64 4800.73,2973.64 4800.73,3013.14
VCC on Top Layer "Top Layer-VCC" (solid, remove dead copper, pour order 30): 4768.23,1720.14 4775.73,1711.14 4829.23,1711.14 4841.23,1699.14 4841.23,1667.14 4848.73,1659.64 4929.23,1659.64 4933.23,1663.64 4933.23,1701.66 4927.7,1707.14 4896.23,1707.14 4896.23,1751.64 4841.73,1806.14 4841.73,1867.14 4768.23,1867.14
VCC on Top Layer "Top Layer-VCC 4" (solid, remove dead copper, pour order 28): 5443.73,2804.14 5443.73,2621.14 5452.73,2612.14 5453.23,2612.64 5501.23,2612.64 5508.23,2605.64 5508.23,2593.64 5517.73,2584.14 5592.23,2584.14 5601.73,2593.64 5601.73,2604.64 5611.68,2614.59 5664.73,2615.14 5664.73,2708.14 5658.23,2714.64 5619.73,2714.64 5607.23,2702.14 5607.23,2668.64 5498.73,2668.64 5485.73,2681.64 5485.73,2803.64 5477.23,2812.14 5451.73,2812.14
GND on GND "GND-GND" (solid, remove dead copper, pour order 52): 4317.73,3341.14 4317.73,1565 5772.73,1565 5772.73,3341.14
VCC on PWR "PWR-VCC" (solid, remove dead copper, pour order 54): 4322.23,3341.14 4322.23,1540.14 5750,1540.14 5750,3341.14

## Keep-outs
Keep-Out Layer:
  the board outline again, w3.94

## Other copper
Top Layer:
  region net GND: 5251.76,1699.69 5278.76,1699.69 5320.76,1657.69 5322.76,1659.69 5335.76,1659.69 5335.76,1680.69 5301.76,1714.69
  region net GND: 5436.76,1641.69 5436.76,1651.69 5497.76,1712.69 5508.76,1701.69 5529.76,1701.69 5474.76,1646.69

## Text inside footprints (layer, text, board x,y; h text height)
X4: Top Overlay "+" at 4610,1897.52 h86.8 r180; Top Overlay "-" at 4686.26,1889.65 h86.8 r180